# KiCad board Jumperless2.kicad_pcb (continued)
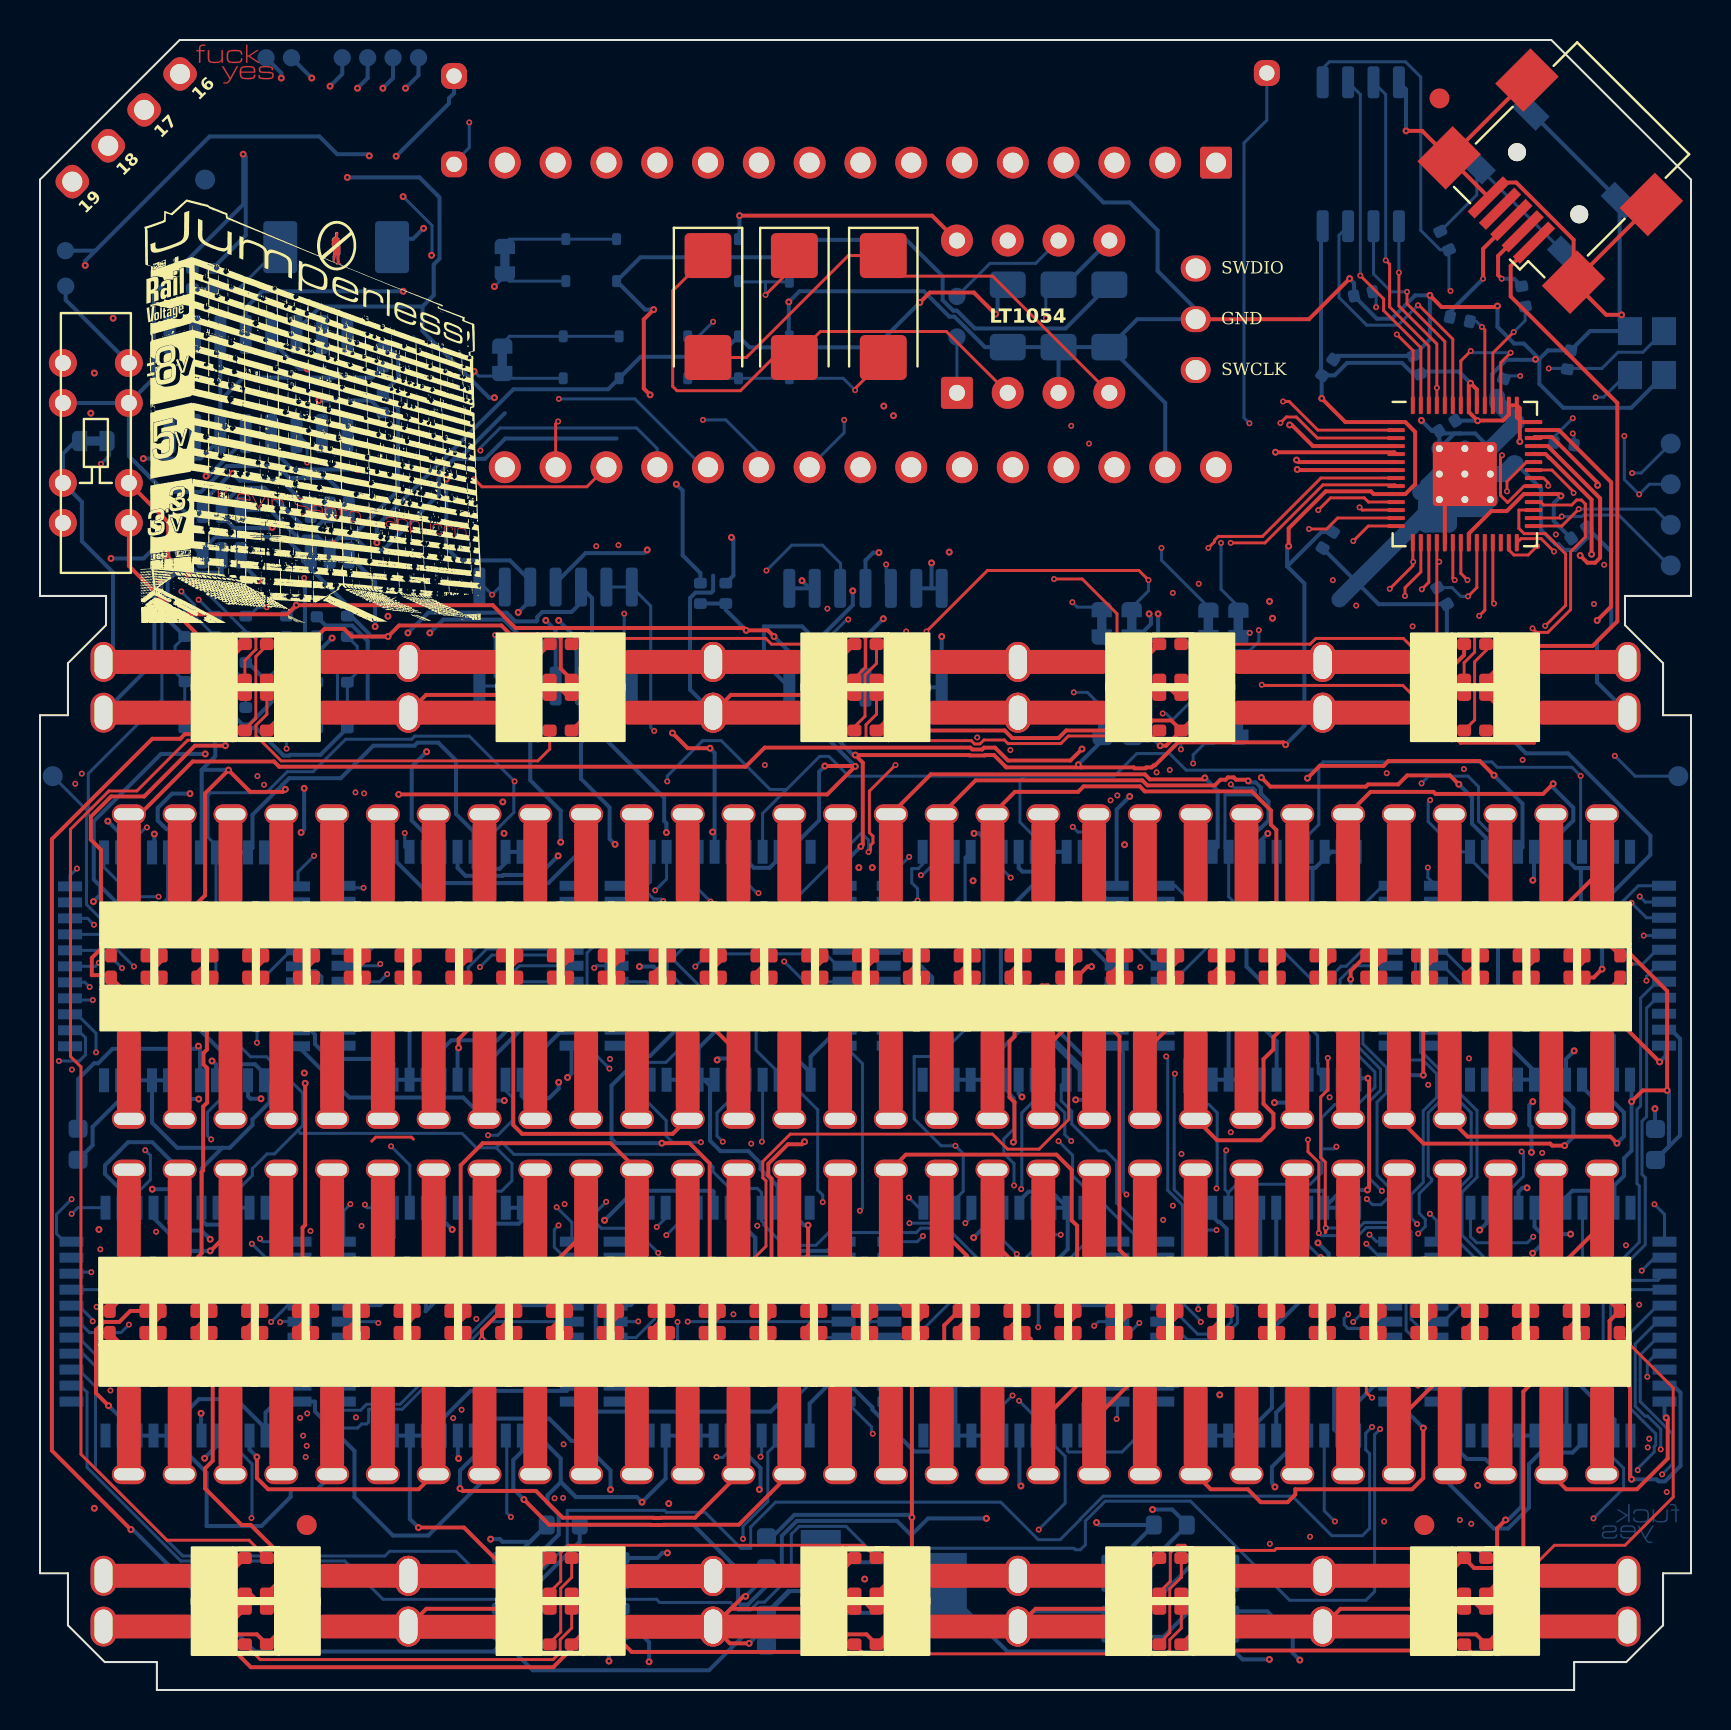
[diagram p0: board, top side]
## Footprints (pads in the part's own frame, mm; a bottom-side part is the same pattern mirrored in y, then rotated) (continued)
C_0402_1005Metric
  rrect 0.56x0.62 smd: 1(-0.48,0) 2(0.48,0)
C_0603_1608Metric
  rrect 0.9x0.95 smd: 1(-0.775,0) 2(0.775,0)
C_1206_3216Metric_Pad1.33x1.80mm_HandSolder
  rrect 1.325x1.8 smd: 1(-1.562,0) 2(1.562,0)
CP_EIA-6032-20_AVX-F_Pad2.25x2.35mm_HandSolder
  rrect 2.25x2.35 smd: 1(-2.55,0) 2(2.55,0)
Crystal_SMD_3225-4Pin_3.2x2.5mm
  rect 1.4x1.2 smd: 1(-1.1,-0.85) 2(1.1,-0.85) 3(1.1,0.85) 4(-1.1,0.85)
D_SOD-323
  rrect 0.6x0.45 smd: 1(-1.05,0) 2(1.05,0)
DIP-8_W7.62mm
  rrect 1.6x1.6 hole 0.8: 1(0,0)
  oval 1.6x1.6 hole 0.8: 2(0,-2.54) 3(0,-5.08) 4(0,-7.62) 5(7.62,-7.62) 6(7.62,-5.08) 7(7.62,-2.54) 8(7.62,0)
Fiducial_1mm_Mask2mm
  round 1 smd: (0,0)
GPIO_header
  rrect 1.5x1.5 hole 1: 1(-3.81,0) 2(-1.27,0) 3(1.27,0) 4(3.81,0)
LED_PLCC2_reversemount
  rrect 1.7x2.6 smd: 1(2.794,0) 2(-2.794,0)
LED_WS2812B-2020_PLCC4_2.0x2.0mm
  rrect 0.7x0.6 smd: 1(-0.55,-0.889) 2(0.55,-0.889) 3(0.55,0.889) 4(-0.55,0.889)
LQFP44_Tight
  rect 1.2x0.5 smd: 1(-6.106,3.599) 2(-6.106,2.799) 3(-6.106,1.999) 4(-6.106,1.199) 5(-6.106,0.399) 6(-6.106,-0.401) 7(-6.106,-1.201) 8(-6.106,-2.001) 9(-6.106,-2.801) 10(-6.106,-3.601) 11(-6.106,-4.401) 23(5.294,-4.401) 24(5.294,-3.601) 25(5.294,-2.801) 26(5.294,-2.001) 27(5.294,-1.201) 28(5.294,-0.401) 29(5.294,0.399) 30(5.294,1.199) 31(5.294,1.999) 32(5.294,2.799) 33(5.294,3.599)
  rect 0.5x1.2 smd: 12(-4.406,-6.101) 13(-3.606,-6.101) 14(-2.806,-6.101) 15(-2.006,-6.101) 16(-1.206,-6.101) 17(-0.406,-6.101) 18(0.394,-6.101) 19(1.194,-6.101) 20(1.994,-6.101) 21(2.794,-6.101) 22(3.594,-6.101) 34(3.594,5.299) 35(2.794,5.299) 36(1.994,5.299) 37(1.194,5.299) 38(0.394,5.299) 39(-0.406,5.299) 40(-1.206,5.299) 41(-2.006,5.299) 42(-2.806,5.299) 43(-3.606,5.299) 44(-4.406,5.299)
PINHEADER-1x1_vertical
  rrect 1.3x1.3 hole 0.762: 1(0,0)
PinHeader_1x03_P2.54mm_Vertical
  oval 1.5x1.3 hole 1: 1(0,0) 2(0,-2.54) 3(0,-5.08)
R_0402_1005Metric
  rrect 0.54x0.64 smd: 1(-0.51,0) 2(0.51,0)
R_0603_1608Metric
  rrect 0.8x0.95 smd: 1(-0.825,0) 2(0.825,0)
RP2040-QFN-56
  rrect 1.084x1.084 smd: (-0.637,0.637) (-0.637,-0.637) (0.637,0.637) (0.637,-0.637)
  rrect 0.875x0.2 smd: 1(-3.438,2.6) 2(-3.438,2.2) 3(-3.438,1.8) 4(-3.438,1.4) 5(-3.438,1) 6(-3.438,0.6) 7(-3.438,0.2) 8(-3.438,-0.2) 9(-3.438,-0.6) 10(-3.438,-1) 11(-3.438,-1.4) 12(-3.438,-1.8) 13(-3.438,-2.2) 14(-3.438,-2.6) 29(3.438,-2.6) 30(3.438,-2.2) 31(3.438,-1.8) 32(3.438,-1.4) 33(3.438,-1) 34(3.438,-0.6) 35(3.438,-0.2) 36(3.438,0.2) 37(3.438,0.6) 38(3.438,1) 39(3.438,1.4) 40(3.438,1.8) 41(3.438,2.2) 42(3.438,2.6)
  rrect 0.2x0.875 smd: 15(-2.6,-3.438) 16(-2.2,-3.438) 17(-1.8,-3.438) 18(-1.4,-3.438) 19(-1,-3.438) 20(-0.6,-3.438) 21(-0.2,-3.438) 22(0.2,-3.438) 23(0.6,-3.438) 24(1,-3.438) 25(1.4,-3.438) 26(1.8,-3.438) 27(2.2,-3.438) 28(2.6,-3.438) 43(2.6,3.438) 44(2.2,3.438) 45(1.8,3.438) 46(1.4,3.438) 47(1,3.438) 48(0.6,3.438) 49(0.2,3.438) 50(-0.2,3.438) 51(-0.6,3.438) 52(-1,3.438) 53(-1.4,3.438) 54(-1.8,3.438) 55(-2.2,3.438) 56(-2.6,3.438)
  round 0.6 hole 0.35: 57(-1.275,1.275) 57(-1.275,0) 57(-1.275,-1.275) 57(0,1.275) 57(0,0) 57(0,-1.275) 57(1.275,1.275) 57(1.275,0) 57(1.275,-1.275)
  rrect 3.2x3.2 smd: 57(0,0)
Slide_Switch_SSSS223600
  round 1.4 hole 0.8: 1(-1.65,0) 2(-1.65,-2) 3(-1.65,-6) 4(-1.65,-8) 5(1.65,0) 6(1.65,-2) 7(1.65,-6) 8(1.65,-8)
SOIC-8_3.9x4.9mm_P1.27mm
  rrect 1.95x0.6 smd: 1(-2.475,1.905) 2(-2.475,0.635) 3(-2.475,-0.635) 4(-2.475,-1.905) 5(2.475,-1.905) 6(2.475,-0.635) 7(2.475,0.635) 8(2.475,1.905)
SOIC-8_5.23x5.23mm_P1.27mm
  rrect 1.6x0.6 smd: 1(-3.6,1.905) 2(-3.6,0.635) 3(-3.6,-0.635) 4(-3.6,-1.905) 5(3.6,-1.905) 6(3.6,-0.635) 7(3.6,0.635) 8(3.6,1.905)
SOIC-14_3.9x8.7mm_P1.27mm
  rrect 1.95x0.6 smd: 1(-2.475,3.81) 2(-2.475,2.54) 3(-2.475,1.27) 4(-2.475,0) 5(-2.475,-1.27) 6(-2.475,-2.54) 7(-2.475,-3.81) 8(2.475,-3.81) 9(2.475,-2.54) 10(2.475,-1.27) 11(2.475,0) 12(2.475,1.27) 13(2.475,2.54) 14(2.475,3.81)
SOIC-16_3.9x9.9mm_P1.27mm
  rrect 1.95x0.6 smd: 1(-2.475,4.445) 2(-2.475,3.175) 3(-2.475,1.905) 4(-2.475,0.635) 5(-2.475,-0.635) 6(-2.475,-1.905) 7(-2.475,-3.175) 8(-2.475,-4.445) 9(2.475,-4.445) 10(2.475,-3.175) 11(2.475,-1.905) 12(2.475,-0.635) 13(2.475,0.635) 14(2.475,1.905) 15(2.475,3.175) 16(2.475,4.445)
SolderJumper_2_Bridged_Small
  custom 0.762x1.016 smd: 1(-0.813,0) 2(0.813,0)
SOT-23-6
  rrect 1.325x0.6 smd: 1(-1.137,0.95) 2(-1.137,0) 3(-1.137,-0.95) 4(1.137,-0.95) 5(1.137,0) 6(1.137,0.95)
SOT-223-3_TabPin2
  rect 2x1.5 smd: 1(-3.15,2.3) 2(-3.15,0) 3(-3.15,-2.3)
  rect 2x3.8 smd: 2(3.15,0)
SW_SPST_TL3342
  rect 1.7x1 smd: 1(-3.15,1.9) 1(3.15,1.9) 2(-3.15,-1.9) 2(3.15,-1.9)
TestPoint_D0.75mm
  round 0.864 smd: 1(0,0)
TestPoint_Pad_D1.0mm
  round 1 smd: 1(0,0)
USB_Mini-B_Wuerth_65100516121_Horizontal
  round 0.9 hole 0.9 unplated: (-2.2,0) (2.2,0)
  rect 0.5x2.5 smd: 1(-1.6,2.6) 2(-0.8,2.6) 3(0,2.6) 4(0.8,2.6) 5(1.6,2.6)
  rect 2x2.5 smd: 6(-4.4,2.6) 6(-4.4,-2.9) 6(4.4,2.6) 6(4.4,-2.9)

## Nets
+1V1: C9.1 C11.1 U9.23 U9.45 U9.50
+3V3: C8.1 C12.1 C18.1 C19.1 C20.1 C21.1 I1.1 JP1.1 R14.1 R26.1 R27.1 SW2.4 SW2.8 U2.2 U4.5 U6.2 U6.5 U8.8 U9.1 U9.10 U9.22 U9.33 U9.42 U9.43 U9.44 U9.48 U9.49
+5V: C7.1 D1.4 D2.4 D3.4 D4.4 D5.4 D6.4 D7.4 D8.4 D9.4 D10.4 D11.4 D12.4 D13.4 D14.4 D15.4 D16.4 D17.4 D18.4 D19.4 D20.4 D21.4 D22.4 D23.4 D24.4 D25.4 D26.4 D27.4 D28.4 D29.4 D30.4 D31.4 D32.4 D33.4 D34.4 D35.4 D36.4 D37.4 D38.4 D39.4 D40.4 D41.4 D42.4 D43.4 D44.4 D45.4 D46.4 D47.4 D48.4 D49.4 D50.4 D51.4 D52.4 D53.4 D54.4 D55.4 D56.4 D57.4 D58.4 D59.4 D60.4 D62.2 D71.4 D72.4 D73.4 D74.4 D75.4 D76.4 D77.4 D78.4 D79.4 D80.4 D81.4 D82.4 D83.4 D84.4 D85.4 D86.4 D87.4 D88.4 D89.4 D90.4 J5.1 J6.1 J14.1 JP2.1 L1.1 R13.2 R24.2 R25.2 SW2.2 SW2.6 U1.8 U2.3 U3.3 U5.3 U5.6
+8V: D64.1 JP4.2 SW2.1 TP14.1 U10.4 U11.4
+9V: A2.38 B1.38 C1.1 C16.1 C26.38 D61.1 D63.2 D70.38 E1.38 F5.38 G1.38 H1.38 I1.38 J6.38 K1.38 L1.38 U7.4
-8V: D69.2 JP8.1 SW2.5 TP13.1 U10.6 U11.11
-9V: A2.16 B1.16 C6.2 C25.2 C26.16 D66.1 D67.2 D70.16 E1.16 F5.16 G1.16 H1.16 I1.16 J6.16 K1.16 L1.16 U7.11
GND: A1.4 A1.29 A2.10 A2.12 A2.18 A2.19 A2.20 A2.21 A2.40 A2.42 A2.43 B1.10 B1.12 B1.18 B1.19 B1.20 B1.21 B1.40 B1.42 B1.43 C1.2 C4.1 C6.1 C7.2 C8.2 C9.2 C10.2 C11.2 C12.2 C13.2 C14.2 C15.2 C16.2 C17.2 C18.2 C19.2 C20.2 C21.2 C22.2 C23.2 C24.2 C25.1 C26.10 C26.12 C26.18 C26.19 C26.20 C26.21 C26.40 C26.42 C26.43 D1.2 D2.2 D3.2 D4.2 D5.2 D6.2 D7.2 D8.2 D9.2 D10.2 D11.2 D12.2 D13.2 D14.2 D15.2 D16.2 D17.2 D18.2 D19.2 D20.2 D21.2 D22.2 D23.2 D24.2 D25.2 D26.2 D27.2 D28.2 D29.2 D30.2 D31.2 D32.2 D33.2 D34.2 D35.2 D36.2 D37.2 D38.2 D39.2 D40.2 D41.2 D42.2 D43.2 D44.2 D45.2 D46.2 D47.2 D48.2 D49.2 D50.2 D51.2 D52.2 D53.2 D54.2 D55.2 D56.2 D57.2 D58.2 D59.2 D60.2 D68.1 D70.10 D70.12 D70.18 D70.19 D70.20 D70.21 D70.40 D70.42 D70.43 D71.2 D72.2 D73.2 D74.2 D75.2 D76.2 D77.2 D78.2 D79.2 D80.2 D81.2 D82.2 D83.2 D84.2 D85.2 D86.2 D87.2 D88.2 D89.2 D90.2 D91.1 E1.10 E1.12 E1.18 E1.19 E1.20 E1.21 E1.40 E1.42 E1.43 F5.10 F5.12 F5.18 F5.19 F5.20 F5.21 F5.40 F5.42 F5.43 G1.10 G1.12 G1.18 G1.19 G1.20 G1.21 G1.40 G1.42 G1.43 H1.10 H1.12 H1.18 H1.19 H1.20 H1.21 H1.40 H1.42 H1.43 I1.2 I1.10 I1.12 I1.18 I1.19 I1.20 I1.21 I1.40 I1.42 I1.43 J1.2 J4.0 J4.32 J5.5 J5.6 J6.2 J6.10 J6.12 J6.18 J6.19 J6.20 J6.21 J6.40 J6.42 J6.43 K1.10 K1.12 K1.18 K1.19 K1.20 K1.21 K1.40 K1.42 K1.43 L1.10 L1.12 L1.18 L1.19 L1.20 L1.21 L1.40 L1.42 L1.43 R18.1 R19.2 R21.2 R22.2 R23.2 SW1.1 U1.3 U2.1 U3.2 U3.6 U4.1 U4.2 U4.6 U5.2 U6.1 U6.6 U8.4 U9.19 U9.57 Y1.2 Y1.4
VIN: A1.30
1: J4.1 L1.5
2: A2.35 J4.2
3: A2.37 J4.3
4: A2.39 J4.4
5: A2.17 J4.5
6: A2.15 J4.6
7: A2.13 J4.7
8: A2.11 J4.8
9: B1.35 J4.9
10: B1.37 J4.10
11: B1.39 J4.11
12: B1.17 J4.12
13: B1.15 J4.13
14: B1.13 J4.14
15: B1.11 J4.15
16: C26.35 J4.16
17: C26.37 J4.17
18: C26.39 J4.18
19: C26.17 J4.19
20: C26.15 J4.20
21: C26.13 J4.21
22: C26.11 J4.22
23: D70.35 J4.23
24: D70.37 J4.24
25: D70.39 J4.25
26: D70.17 J4.26
27: D70.15 J4.27
28: D70.13 J4.28
29: D70.11 J4.29
30: J4.30 L1.6
32: J4.33 L1.7
33: E1.35 J4.34
34: E1.37 J4.35
35: E1.39 J4.36
36: E1.17 J4.37
37: E1.15 J4.38
38: E1.13 J4.39
39: E1.11 J4.40
40: F5.35 J4.41
41: F5.37 J4.42
42: F5.39 J4.43
43: F5.17 J4.44
44: F5.15 J4.45
45: F5.13 J4.46
46: F5.11 J4.47
47: G1.35 J4.48
48: G1.37 J4.49
49: G1.39 J4.50
50: G1.17 J4.51
51: G1.15 J4.52
52: G1.13 J4.53
53: G1.11 J4.54
54: H1.35 J4.55
55: H1.37 J4.56
56: H1.39 J4.57
57: H1.17 J4.58
58: H1.15 J4.59
59: H1.13 J4.60
60: H1.11 J4.61
61: J4.62 L1.8
/AB0: A2.29 B1.31
/AB1: A2.28 B1.30
/AC0: A2.27 C26.31
/AC1: A2.26 C26.30
/AD0: A2.3 D70.31
/AD1: A2.4 D70.30
/AE0: A2.5 E1.31
/AF0: A2.7 F5.31
/AF1: A2.8 F5.30
/AG0: A2.25 G1.31
/AG1: A2.24 G1.30
/AH0: A2.1 H1.31
/AH1: A2.2 H1.30
/BC0: B1.27 C26.29
/BC1: B1.26 C26.28
/BD0: B1.3 D70.29
/BD1: B1.4 D70.28
/BE0: B1.5 E1.29
/BE1: B1.6 E1.28
/BF0: B1.7 F5.29
/BG0: B1.25 G1.29
/BG1: B1.24 G1.28
/BH0: B1.1 H1.29
/BH1: B1.2 H1.28
/CD0: C26.3 D70.27
/CD1: C26.4 D70.26
/CE0: C26.5 E1.27
/CE1: C26.6 E1.26
/CF0: C26.7 F5.27
/CF1: C26.8 F5.26
/CG0: C26.25 G1.27
/CH0: C26.1 H1.27
/CH1: C26.2 H1.26
/DE0: D70.5 E1.3
/DE1: D70.6 E1.4
/DF0: D70.7 F5.3
/DF1: D70.8 F5.4
/DG0: D70.25 G1.3
/DG1: D70.24 G1.4
/DH0: D70.1 H1.3
/EF0: E1.7 F5.5
/EF1: E1.8 F5.6
/EG0: E1.25 G1.5
/EG1: E1.24 G1.6
/EH0: E1.1 H1.5
/EH1: E1.2 H1.6
/FG0: F5.25 G1.7
/FG1: F5.24 G1.8
/FH0: F5.1 H1.7
/FH1: F5.2 H1.8
/GH0: G1.1 H1.25
/GH1: G1.2 H1.24
/QSPI_SCLK: U8.6 U9.52
/QSPI_SD0: U8.5 U9.53
/QSPI_SD1: U8.2 U9.55
/QSPI_SD2: U8.3 U9.54
/QSPI_SD3: U8.7 U9.51
/QSPI_SS: R5.1 U8.1 U9.56
/RUN: U9.26
/SWCLK: J1.1 U9.24
/SWD: J1.3 U9.25
/USB_D+: J5.3 R2.1
/USB_D-: J5.2 R3.1
/XIN: C13.1 U9.20 Y1.1
/XOUT: R12.1 U9.21
/~{USB_BOOT}: R5.2 SW1.2
A0: A1.19 I1.31 K1.31
A1: A1.20 J6.30 K1.30
A2: A1.21 I1.29 K1.29
A3: A1.22 J6.28 K1.28
A4: A1.23 I1.27 L1.25
A5: A1.24 J6.26 L1.24
A6: A1.25 I1.3
A7: A1.26 J6.4
ADC_BUFFERED_5V_0: U9.38 U11.1 U11.2
ADC_BUFFERED_5V_1: U9.39 U11.6 U11.7
ADC_BUFFERED_5V_2: U9.40 U11.8 U11.9
ADC_BUFFERED_+-8V_3: U9.41 U11.13 U11.14
ADC_UNBUFFERED_5V_0: I1.24 L1.29 TP9.1 U7.3
ADC_UNBUFFERED_5V_1: J6.24 L1.28 TP10.1 U7.10
ADC_UNBUFFERED_5V_2: K1.2 L1.27 TP11.1 U7.12
ADC_UNBUFFERED_+-8V_3: L1.26 TP12.1 U7.5
AI: A2.31 I1.33
AJ: A2.30 J6.33
AK: A2.6 K1.33
AL: A2.33 L1.33
AREF: A1.18 J6.8
BI: B1.29 I1.35
BJ: B1.28 J6.35
BK: B1.8 K1.35
BL: B1.33 L1.35
BOTTOM_RAIL: J4.63 SW2.7
CI: C26.27 I1.37
CJ: C26.26 J6.37
CK: C26.24 K1.37
CL: C26.33 L1.37
CLK: A2.34 B1.34 C26.34 D70.34 E1.34 F5.34 G1.34 H1.34 I1.34 J6.34 K1.34 L1.34 U9.18
CS_A: A2.14 U9.8
CS_B: B1.14 U9.9
CS_C: C26.14 U9.11
CS_D: D70.14 U9.12
CS_E: E1.14 U9.13
CS_F: F5.14 U9.14
CS_G: G1.14 U9.15
CS_H: H1.14 U9.16
CS_I: I1.14 U9.31
CS_J: J6.14 U9.32
CS_K: K1.14 U9.34
CS_L: L1.14 U9.35
CURR_SENSE+: L1.30 R1.1 U4.8
CURR_SENSE-: L1.31 R1.2 U4.7
CURR_SENSE_DAC+: C15.1 R4.1 TP7.1 U6.8 U10.3 U10.14
CURR_SENSE_DAC-: I1.25 L1.4 R4.2 U6.7
D0: A1.2 J6.31 JP3.2
D1: A1.1 I1.30 JP7.2
D2: A1.5 J6.29 K1.27
D3: A1.6 I1.28 K1.26
D4: A1.7 J6.27 JP9.2 K1.3
D5: A1.8 I1.26 JP10.2 K1.4
D6: A1.9 J6.3 K1.5
D7: A1.10 I1.4 K1.6
D8: A1.11 J6.5 K1.7
D9: A1.12 I1.6 K1.8
D10: A1.13 J6.6 K1.25
D11: A1.14 I1.5 K1.24
D12: A1.15 J6.7 K1.1
D13: A1.16 I1.7
DAC_0_OUT: U3.1 U10.13
DAC_1_OUT: U5.1 U10.12
DAC_+-8V: C10.1 J6.25 L1.3 R16.2 TP8.1 U10.5
DATA: A2.36 B1.36 C26.36 D70.36 E1.36 F5.36 G1.36 H1.36 I1.36 J6.36 K1.36 L1.36 U9.17
DI: D70.3 I1.39
DJ: D70.4 J6.39
DK: D70.2 K1.39
DL: D70.33 L1.39
EI: E1.5 I1.17
EJ: E1.6 J6.17
EK: E1.30 K1.17
EL: E1.33 L1.17
FI: F5.7 I1.15
FJ: F5.8 J6.15
FK: F5.28 K1.15
FL: F5.33 L1.15
GI: G1.25 I1.13
GJ: G1.24 J6.13
GK: G1.26 K1.13
GL: G1.33 L1.13
GPIO_16: J7.1 TP1.1 U9.27
GPIO_17: J7.2 TP2.1 U9.28
GPIO_18: J7.3 TP3.1 U9.29
GPIO_19: J7.4 TP4.1 U9.30
HI: H1.1 I1.11
HJ: H1.2 J6.11
HK: H1.4 K1.11
HL: H1.33 L1.11
I2C_SCL: R26.2 U3.5 U4.4 U5.5 U6.4 U9.7
I2C_SCL_NANO: JP10.1 U9.4
I2C_SDA: R27.2 U3.4 U4.3 U5.4 U6.3 U9.6
I2C_SDA_NANO: JP9.1 U9.5
LED_DATA_OUT: D1.3 TP17.1 U9.37
NANO_3V3: A1.17 JP1.2
NANO_5V: A1.27 JP2.2
NANO_~{RESET}: I1.8 JP13.1 JP14.1
NANO_~{RESET}_0: A1.28 JP13.2
NANO_~{RESET}_1: A1.3 JP14.2
RESET: A2.41 B1.41 C26.41 D70.41 E1.41 F5.41 G1.41 H1.41 I1.41 J6.41 K1.41 L1.41 U9.36
TOP_RAIL: J4.31 JP5.1 SW2.3
UART_Rx: JP3.1 U9.3
UART_Tx: JP7.1 U9.2
Net-(C14-Pad1): C14.1 R12.2 Y1.3
Net-(D1-DOUT): D1.1 D2.3
Net-(D2-DOUT): D2.1 D3.3
Net-(D3-DOUT): D3.1 D4.3
Net-(D4-DOUT): D4.1 D5.3
Net-(D5-DOUT): D5.1 D6.3
Net-(D6-DOUT): D6.1 D7.3
Net-(D7-DOUT): D7.1 D8.3
Net-(D8-DOUT): D8.1 D9.3
Net-(D10-DIN): D9.1 D10.3
Net-(D10-DOUT): D10.1 D11.3
Net-(D11-DOUT): D11.1 D12.3
Net-(D12-DOUT): D12.1 D13.3
Net-(D13-DOUT): D13.1 D14.3
Net-(D14-DOUT): D14.1 D15.3
Net-(D15-DOUT): D15.1 D16.3
Net-(D16-DOUT): D16.1 D17.3
Net-(D17-DOUT): D17.1 D18.3
Net-(D18-DOUT): D18.1 D19.3
Net-(D19-DOUT): D19.1 D20.3
Net-(D20-DOUT): D20.1 D21.3
Net-(D21-DOUT): D21.1 D22.3
Net-(D22-DOUT): D22.1 D23.3
Net-(D23-DOUT): D23.1 D24.3
Net-(D24-DOUT): D24.1 D25.3
Net-(D25-DOUT): D25.1 D26.3
Net-(D26-DOUT): D26.1 D27.3
Net-(D27-DOUT): D27.1 D28.3
Net-(D28-DOUT): D28.1 D29.3
Net-(D29-DOUT): D29.1 D30.3
Net-(D30-DOUT): D30.1 D31.3
Net-(D31-DOUT): D31.1 D32.3
Net-(D32-DOUT): D32.1 D33.3
Net-(D33-DOUT): D33.1 D34.3
Net-(D34-DOUT): D34.1 D35.3
Net-(D35-DOUT): D35.1 D36.3
Net-(D36-DOUT): D36.1 D37.3
Net-(D37-DOUT): D37.1 D38.3
Net-(D38-DOUT): D38.1 D39.3
Net-(D39-DOUT): D39.1 D40.3
Net-(D40-DOUT): D40.1 D41.3
Net-(D41-DOUT): D41.1 D42.3
Net-(D42-DOUT): D42.1 D43.3
Net-(D43-DOUT): D43.1 D44.3
Net-(D44-DOUT): D44.1 D45.3
Net-(D45-DOUT): D45.1 D46.3
Net-(D46-DOUT): D46.1 D47.3
Net-(D47-DOUT): D47.1 D48.3
Net-(D48-DOUT): D48.1 D49.3
Net-(D49-DOUT): D49.1 D50.3
Net-(D50-DOUT): D50.1 D51.3
Net-(D51-DOUT): D51.1 D52.3
Net-(D52-DOUT): D52.1 D53.3
Net-(D53-DOUT): D53.1 D54.3
Net-(D54-DOUT): D54.1 D55.3
Net-(D55-DOUT): D55.1 D56.3
Net-(D56-DOUT): D56.1 D57.3
Net-(D57-DOUT): D57.1 D58.3
Net-(D58-DOUT): D58.1 D59.3
Net-(D59-DOUT): D59.1 D60.3
Net-(D60-DOUT): D60.1 D71.3
Net-(D61-A): C2.1 D61.2 D62.1
Net-(D63-K): D63.1 D64.2 JP4.1
Net-(D65-A): C5.2 D65.2 D67.1 D68.2
Net-(D65-K): C4.2 D65.1 U1.5
Net-(D66-A): D66.2 D69.1 JP8.2
Net-(D71-DOUT): D71.1 D72.3
Net-(D72-DOUT): D72.1 D73.3
Net-(D73-DOUT): D73.1 D74.3
Net-(D74-DOUT): D74.1 D75.3
Net-(D75-DOUT): D75.1 D76.3
Net-(D76-DOUT): D76.1 D77.3
Net-(D77-DOUT): D77.1 D78.3
Net-(D78-DOUT): D78.1 D79.3
Net-(D79-DOUT): D79.1 D80.3
Net-(D80-DOUT): D80.1 D81.3
Net-(D81-DOUT): D81.1 D82.3
Net-(D82-DOUT): D82.1 D83.3
Net-(D83-DOUT): D83.1 D84.3
Net-(D84-DOUT): D84.1 D85.3
Net-(D85-DOUT): D85.1 D86.3
Net-(D86-DOUT): D86.1 D87.3
Net-(D87-DOUT): D87.1 D88.3
Net-(D88-DOUT): D88.1 D89.3
Net-(D89-DOUT): D89.1 D90.3
Net-(D90-DOUT): D90.1 TP20.1
Net-(D91-A): D91.2 R24.1 R25.1
Net-(JP5-B): JP5.2 L1.2
Net-(R13-Pad1): R13.1 R15.1 R18.2
Net-(R16-Pad1): R16.1 R20.2
Net-(TP15-Pad1): TP15.1 TP21.1
Net-(U1-CAP+): C2.2 C3.1 U1.2
Net-(U1-CAP-): C3.2 C5.1 U1.4
Net-(U1-FB/SHDN): TP5.1 U1.1
Net-(U1-VREF): TP6.1 U1.6
Net-(U7A--): R6.1 U7.1 U7.2
Net-(U7B--): R17.1 U7.6 U7.7
Net-(U7C--): R8.1 U7.8 U7.9
Net-(U7D--): R10.1 U7.13 U7.14
Net-(U9-USB_DM): R3.2 U9.46
Net-(U9-USB_DP): R2.2 U9.47
Net-(U10B--): R15.2 R20.1 U10.11
Net-(U11A-+): C17.1 R6.2 R21.1 U11.3
Net-(U11B-+): C22.1 R8.2 R22.1 U11.5
Net-(U11C-+): C23.1 R10.2 R23.1 U11.10
Net-(U11D-+): C24.1 R14.2 R17.2 R19.1 U11.12

Pads without a net: A2 9 22 23 32 44; B1 9 22 23 32 44; C26 9 22 23 32 44; D70 9 22 23 32 44; E1 9 22 23 32 44; F5 9 22 23 32 44; G1 9 22 23 32 44; H1 9 22 23 32 44; I1 9 22 23 32 44; J5 4; J6 9 22 23 32 44; K1 9 22 23 32 44; L1 9 22 23 32 44; U1 7; U10 1 2 7 8 9 10 15 16

## Via types
v1: diameter 0.3, hole 0.15, Top to Bottom, 453 vias
v2: diameter 0.35, hole 0.15, Top to Bottom, 288 vias

## Routing (per net, layer and track width the routed paths; a pad name or vN(x,y) marks a point on that pad's centre or on a via; arc(x,y) is an arc through that point)
+1V1: length 32.2
  Top w0.15: U9.23 71.84,55.15 v1(71.4,54.71) ; v1(71.54,66.99) 71.04,66.5 U9.50 ; v1(73.53,66.9) 73.04,66.41 U9.45
  In1.Cu w0.15: v1(71.54,66.99) 67.83,66.99 66.81,68.02 v1(66.81,69.18)
  In2.Cu w0.15: v1(71.54,66.99) 71.04,66.5 71.04,63.05 71.78,62.31 71.78,55.09 v1(71.4,54.71)
  Bottom w0.15: v1(71.4,54.71) 71.04,54.71 70.6,55.15 C11.1 ; v1(73.53,66.9) 71.62,66.9 v1(71.54,66.99) ; 66.81,69.78 v1(66.81,69.18)
+3V3: length 270.3
  Top w0.2: U9.43 U9.44 73.44,63.81 73.14,63.51 71.89,63.51 v2(71.88,63.5) 71.44,63.94 ; U9.43 73.84,63.67 74.08,63.43 U9.42 ; U9.43 73.99,64.12 v2(73.99,62.46) ; SW2.8 4.44,56.24 6.5,54.18 ; 52.07,46.16 51.94,46.29 v2(51.92,46.29) ; 52.07,46.16 54.68,46.16 54.73,46.11 55.27,46.11 55.32,46.16 55.58,46.16 55.68,46.26 55.75,46.26 56.9,47.41 62.16,47.41 v2(62.28,47.29) ; 52.07,46.16 48.32,46.16 48.27,46.2 47.7,46.77 47.25,46.77 47.24,46.76 46.49,46.76 46.47,46.77 v2(40.76,46.77) 41.14,46.4 41.14,42.3 v2(41.04,42.2) ; v2(62.43,57.23) 62.43,58.12 64.29,59.97 66.55,59.97 66.68,59.83 U9.10 68.27,59.83 68.76,60.32 68.76,62.94 68.27,63.43 U9.1 65.27,63.43 v2(64.08,64.62) ; U9.22 71.44,57.86 72.57,58.98 73.34,58.98 74.19,59.83 U9.33 75.96,59.83 v2(76.05,59.74) ; U9.48 71.84,65.06 v2(71.53,65.38) 71.44,65.3 U9.49 ; v2(36.7,52.7) 36.39,53.02 v2(35.31,53.02) 35.19,53.13 23.78,53.13 22.64,54.27 v2(12.81,54.27) 12.36,53.82 6.86,53.82 6.5,54.18 ; v2(4.55,8.03) 0.59,11.98 0.59,42.57 5.62,47.59 7.01,47.59 7.24,47.82 7.66,47.82 8.15,48.3 8.15,52.53 6.5,54.18
  In1.Cu w0.2: SW2.8 SW2.4
  In2.Cu w0.2: v2(76.05,59.74) 76.05,60.4 v2(73.99,62.46)
  Bottom w0.2: v2(51.92,46.29) 51.92,46.31 JP1.1 ; v2(71.53,65.38) 70.94,65.96 69.12,65.96 ; v2(76.05,59.74) 75.69,59.38 75.69,58.49 C21.1 ; 62.36,56.22 62.36,57.15 v2(62.43,57.23) ; 62.36,56.22 63.22,55.35 63.22,48.23 v2(62.28,47.29) ; 62.36,56.22 64.08,57.94 C18.1 ; v2(12.81,54.27) 12.81,54.22 R14.1 ; I1.1 40.23,41.39 v2(41.04,42.2) ; C19.1 68.65,65.84 68.1,66.4 65.35,66.4 64.73,65.77 C12.1 ; v2(64.08,64.62) 64.08,65.74 ; v2(40.76,46.77) 40.66,46.77 38.23,49.2 38.23,51.18 v2(36.7,52.7) ; 33.02,54.36 R26.1 34.29,54.03 v2(35.31,53.02) ; U2.2 37.5,4.95 C8.1 ; U2.2 40.13,3.86 41.51,3.86 41.56,3.91 44.3,3.91 U2.2 48.37,1.92 53.3,1.92 U6.5 56.18,2.67 58.72,5.21 ; U2.2 37.42,4.95 33.45,0.99 24.64,0.99 23.56,2.07 U4.5 22.69,1.92 10.75,1.92 4.65,8.03 v2(4.55,8.03) ; C20.1 71.88,63.5 v2(71.88,63.5) ; 64.05,73.15 64.05,65.84
+5V: length 582.1
  Top w0.2: 43.56,16.64 44.07,16.64 ; 43.56,16.64 41.78,16.64 ; 43.56,16.64 43.59,16.6 v2(43.59,8.64) 43.59,6.6 v2(43.39,6.39) D76.4 ; 44.07,16.64 44.15,16.72 44.15,17.86 ; 44.07,16.64 44.96,15.75 46.23,15.75 46.74,16.26 46.74,16.64 ; 74.68,17.27 74.68,17.85 ; 74.68,17.27 75.56,17.27 ; 74.68,17.27 72.26,17.27 ; D30.4 77.68,35.65 v2(78.11,36.07) ; 5.08,35.09 8.76,35.09 ; 5.08,35.09 4.1,35.09 D1.4 3.43,35.76 2.59,35.76 2.59,36.63 3.05,37.08 3.05,42.04 2.54,42.54 2.54,43.69 3.56,44.7 5.21,44.7 7.75,47.24 v2(9.27,47.24) ; 5.08,35.09 5.63,35.09 6.09,35.55 ; 8.76,35.09 8.63,35.23 D3.4 ; 8.76,35.09 11.18,35.09 ; 26.42,35.09 29.08,35.09 ; 26.42,35.09 23.88,35.09 ; 26.42,35.09 26.41,35.1 D10.4 ; 29.08,35.09 28.96,35.22 28.96,35.64 ; 29.08,35.09 31.62,35.09 ; D17.4 44.2,35.1 44.2,35.09 ; 34.04,35.09 36.58,35.09 ; 34.04,35.09 31.62,35.09 ; 34.04,35.09 34.04,35.1 D13.4 ; 36.58,35.09 36.58,35.1 ; 36.58,35.09 39.12,35.09 ; 59.44,35.09 59.45,35.11 D23.4 ; 59.44,35.09 56.9,35.09 ; 59.44,35.09 61.85,35.09 ; 49.23,17.86 49.53,17.57 49.53,17.27 ; 57.15,4.83 57.61,4.36 57.61,2.84 D74.4 57.38,1.97 70.05,1.97 70.86,2.79 71.81,2.79 D71.4 72.9,2.88 72.9,4.32 72.39,4.83 ; 12.15,48.81 12.45,48.51 v2(12.95,48.51) ; 12.15,48.81 D82.4 11.9,48.56 11.9,50.08 11.43,50.55 ; 12.15,48.81 13.34,50 13.34,51.57 13.46,51.69 13.46,52.32 14.22,53.09 15.21,53.09 15.59,52.7 v2(17.4,52.7) 17.95,53.26 23.07,53.26 23.5,52.83 25.82,52.83 26.04,52.62 26.04,51.1 D84.4 ; D12.4 31.5,35.21 31.62,35.09 ; 8.64,17.32 8.58,17.37 D33.4 ; 8.64,17.32 9.02,17.32 ; 8.64,17.32 5.97,17.32 ; D42.4 31.45,17.36 31.5,17.31 ; 56.9,35.09 56.91,35.11 D22.4 ; 56.9,35.09 54.36,35.09 ; 33.78,17.31 33.99,17.53 D43.4 ; 33.78,17.31 36.45,17.31 ; 33.78,17.31 31.5,17.31 ; D87.4 56.3,47.24 v2(56.01,47.24) ; D87.4 57.61,48.56 57.61,50.08 57.15,50.55 ; D87.4 56.56,48.51 55.62,48.51 55.12,48.01 51.31,48.01 50.93,47.62 48.61,47.62 48.23,48.01 D86.4 42.42,48.6 42.42,50.04 41.91,50.55 ; U1.8 44.6,73.76 v2(34.98,73.76) ; 64.39,35.09 64.53,35.24 D25.4 ; 64.39,35.09 61.85,35.09 ; 64.39,35.09 67.06,35.09 ; 67.18,17.27 67.18,17.72 ; 67.18,17.27 64.52,17.27 ; 67.18,17.27 69.47,17.27 ; 61.85,35.09 61.99,35.24 D24.4 ; 59.31,17.27 62.1,17.27 ; 59.31,17.27 59.31,17.76 ; 59.31,17.27 57.02,17.27 ; 62.1,17.27 62.1,17.72 ; 62.1,17.27 64.52,17.27 ; 75.56,17.27 76.84,17.27 77.2,17.64 ; 75.56,17.27 75.56,15.98 75.08,15.5 74.73,15.5 74.17,14.93 74.17,6.67 72.33,4.83 ; 72.14,35.09 74.68,35.09 ; 72.14,35.09 72.15,35.11 D28.4 ; 72.14,35.09 69.47,35.09 ; 74.68,35.09 74.69,35.11 D29.4 ; 74.68,35.09 76.76,35.09 77.23,35.56 ; 13.72,35.09 16.26,35.09 ; 13.72,35.09 11.18,35.09 ; 13.72,35.09 13.71,35.1 D5.4 ; 16.26,35.09 18.8,35.09 ; 16.26,35.09 16.25,35.1 D6.4 ; 49.4,35.09 49.28,35.21 D19.4 ; 49.4,35.09 46.74,35.09 ; 49.4,35.09 49.44,35.13 49.96,35.13 50.09,35.26 50.4,35.26 50.56,35.09 51.82,35.09 ; 41.78,16.64 39.12,16.64 ; 41.78,16.64 41.78,17.7 ; 18.8,35.09 21.34,35.09 ; 18.8,35.09 18.79,35.1 D7.4 ; 9.02,17.32 11.18,17.32 ; 9.02,17.32 8.64,16.94 8.64,11.47 8.26,11.09 8.26,10.08 10.08,8.25 10.54,8.25 12.23,6.56 12.23,5.72 D80.4 ; 18.8,17.32 19.78,17.32 20.3,16.79 20.99,16.79 21.23,17.04 ; 18.8,17.32 16.26,17.32 ; 18.8,17.32 18.74,17.37 D37.4 ; D27.4 69.61,35.24 69.47,35.09 ; 46.74,16.64 48.89,16.64 49.53,17.27 ; 46.74,16.64 46.69,16.68 D48.4 ; D36.4 16.2,17.37 16.26,17.32 ; 54.36,35.09 53.29,35.09 53.26,35.13 52.25,35.13 52.21,35.09 51.82,35.09 ; 54.36,35.09 54.36,35.1 D21.4 ; 36.58,35.1 36.45,34.97 v2(36.45,33.66) ; 36.58,35.1 D14.4 ; 23.88,35.09 23.87,35.1 D9.4 ; 23.88,35.09 21.34,35.09 ; 26.67,50.55 27.13,50.08 27.13,48.56 D83.4 ; 41.66,35.09 41.66,35.1 D16.4 ; 41.66,35.09 44.2,35.09 ; 41.66,35.09 39.12,35.09 ; v2(38.23,27.43) 38.1,27.3 37.4,27.3 36.42,26.32 36.42,25.75 36.58,25.58 v2(36.58,21.21) ; 28.96,17.74 28.96,17.31 ; 28.96,17.31 31.5,17.31 ; 28.96,17.31 26.42,17.31 ; 11.18,35.09 11.17,35.1 D4.4 ; 51.82,35.09 51.82,35.1 D20.4 52.37,36.19 v2(52.58,36.19) ; 16.26,17.32 13.72,17.32 ; 11.18,17.32 13.72,17.32 ; 11.18,17.32 11.12,17.37 D34.4 ; 13.72,17.32 13.66,17.37 D35.4 ; 72.26,17.27 72.26,17.72 ; 72.26,17.27 69.47,17.27 ; 26.67,4.83 27.13,4.36 ; 27.13,4.36 29.59,1.91 39.5,1.91 40.38,2.79 41.33,2.79 D75.4 42.42,2.88 42.42,4.32 41.91,4.83 ; 27.13,4.36 27.13,2.84 D78.4 26.59,2.07 25.66,1.14 10.54,1.14 9.7,1.99 9.7,2.58 9.9,2.79 10.84,2.79 D79.4 11.94,2.88 11.94,4.32 11.43,4.83 ; D15.4 39.12,35.1 39.12,35.09 ; 44.2,35.09 46.74,35.09 ; D31.4 4.04,17.32 5.97,17.32 ; 39.12,16.64 37.59,16.64 36.92,17.31 36.45,17.31 ; 39.12,16.64 39.12,17.82 ; D39.4 23.82,17.46 23.96,17.31 26.42,17.31 ; 49.53,17.27 51.82,17.27 ; 26.42,17.31 26.36,17.37 D40.4 ; 54.36,17.27 51.82,17.27 ; 54.36,17.27 54.36,17.84 ; 54.36,17.27 57.02,17.27 ; 51.82,17.27 51.82,17.83 ; 69.47,17.27 69.47,17.76 ; 21.23,17.04 22.37,17.04 22.65,17.32 23.35,17.32 23.82,17.78 ; 21.23,17.04 21.28,17.09 D38.4 ; D44.4 36.53,17.4 36.45,17.31 ; 67.06,35.09 67.07,35.11 D26.4 ; 67.06,35.09 69.47,35.09 ; D8.4 21.33,35.1 21.34,35.09 ; v2(73.22,47.94) 73.15,48.01 D90.4 ; 5.97,17.32 6.04,17.38 D32.4 ; 46.74,35.09 46.74,35.1 D18.4 ; J5.1 73.53,71.25 73.53,69.72 78.87,64.39 78.87,53.47 77.64,52.23 73.99,52.23 D89.4 72.56,50.29 v2(73.41,50.29) ; 57.02,17.27 57.02,17.72 ; 64.52,17.27 64.52,17.85 ; v2(36.58,16.64) 36.58,17.82
  In1.Cu w0.2: v2(9.27,47.24) 11.68,47.24 v2(12.95,48.51) ; v2(54.48,44.7) 54.2,44.42 54.2,42.83 54.36,42.67 54.36,42.42 v2(54.23,42.29) ; v2(10.16,76.83) 10.52,77.19 17.35,77.19 v2(17.81,76.73) 20.78,73.76 v2(34.98,73.76)
  In2.Cu w0.2: v2(54.23,42.29) 55.5,41.02 55.5,37.85 53.85,36.19 v2(52.58,36.19) ; v2(54.48,44.7) 54.48,45.72 v2(56.01,47.24) ; v2(36.58,21.21) v2(36.58,16.64) ; v2(38.23,27.43) 37.27,27.43 36.42,28.29 36.42,33.37 36.45,33.4 v2(36.45,33.66)
  Bottom w0.15: 20.45,80.26 20.45,80.26
  Bottom w0.2: SW2.6 SW2.2 ; SW2.6 4.44,61.73 5.07,61.1 ; SW2.6 5.69,65.64 5.69,69.85 7.29,71.45 ; J14.1 20.7,79.88 20.45,79.63 20.45,79.37 v2(17.81,76.73) ; 7.29,71.45 10.16,74.32 v2(10.16,76.83) 10.29,76.71 10.29,72.77 8.64,71.12 ; 7.29,71.45 7.29,71.45 R25.2 ; 39.83,22.43 39.37,21.97 37.34,21.97 v2(36.58,21.21) ; R13.2 15.37,54.27 13.15,56.49 13.15,56.64 ; 13.15,56.64 13.41,56.64 ; 13.15,56.64 13.15,56.77 12.23,57.68 8.77,57.68 8.13,57.05 ; 15.44,59.57 14.37,60.64 12.47,60.64 11.86,61.24 9.35,61.24 8.05,59.94 6.23,59.94 5.07,61.1 ; v2(73.41,50.29) 73.41,48.13 v2(73.22,47.94) 74.3,46.86 76.4,46.86 80.52,42.74 80.52,41.78 77.6,38.86 77.6,38.48 78.11,37.97 v2(78.11,36.07) ; U3.3 7.58,57.32 7.58,58.59 5.07,61.1 ; JP2.1 55.73,47.52 v2(56.01,47.24) ; 36.6,7.65 37.72,8.76 43.56,8.76 43.56,8.67 v2(43.59,8.64) ; U2.3 39.9,6.39 v2(43.39,6.39) ; v2(17.4,52.7) 16.59,52.7 15.57,53.72 ; v2(34.98,73.76) 34.98,72.64 ; L1.1 53.83,44.05 v2(54.48,44.7)
+8V: length 88.6
  In1.Cu w0.15: v2(19.58,71.78) 21.14,70.21 v2(22.72,70.21)
  In1.Cu w0.2: v2(16.46,76.75) 18.16,75.06 v2(18.16,74.71) 18.16,74.71 v2(18.16,69.98) 21.05,69.98 26.79,64.24 v2(42.19,64.24) ; SW2.1 2.26,67.51 v2(2.26,71.27)
  In2.Cu w0.2: v2(42.19,64.24) 42.19,60.43 42.26,60.36 42.26,57.22 v2(41.95,56.9)
  Bottom w0.15: JP4.2 23.48,70.48 D64.1 ; 23.23,70.72 v2(22.72,70.21) ; v2(18.16,74.71) 19.6,73.27 19.6,71.8 v2(19.58,71.78)
  Bottom w0.2: 2.77,72.01 TP14.1 ; 2.77,72.01 2.26,71.5 v2(2.26,71.27) ; 2.77,72.01 8.48,77.72 13.97,77.72 14.86,76.83 16.38,76.83 v2(16.46,76.75) ; v2(18.16,69.98) 11.12,69.98 10.29,69.14 U10.4 ; v2(41.95,56.9) 41.66,56.9 41.28,56.51 U11.4
+9V: length 314.8
  Top w0.2: v2(33.5,47.12) 32.39,47.12 v2(31.62,47.88) ; v2(30.68,69.06) 30.19,68.57 30.19,65.11 v2(30.51,64.8)
  In1.Cu w0.2: 74.22,21.82 78.3,21.82 80.38,23.9 80.9,23.9 81.23,24.23 81.23,28.6 v2(80.75,29.08) 80.75,31.13 76.9,34.97 76.42,34.97 v2(74.98,33.53) ; 74.22,21.82 74.6,21.82 v2(74.63,21.85) ; 74.22,21.82 71.3,21.82 71.07,21.59 68.72,21.59 68.68,21.63 64.56,21.63 64.47,21.72 64.47,22.07 64.22,22.32 63.78,22.32 ; v2(33.5,47.12) 19.51,47.12 v2(19.33,46.94) 16.01,46.94 15.81,46.75 12.18,46.75 12.15,46.78 8.33,46.78 8.28,46.83 v2(8.26,46.83) ; v2(61.39,42.85) 61.52,42.98 61.54,42.98 ; 61.54,42.98 65.48,42.98 66.91,41.55 69.58,41.55 70.61,40.51 v2(74.64,40.51) ; 61.54,42.98 60.22,41.66 48.87,41.66 47.55,42.98 ; v2(33.63,42.93) 40.53,42.93 40.58,42.98 47.55,42.98 ; 63.78,22.32 63.48,22.32 63.44,22.36 58.09,22.36 57.71,22.73 56.03,22.73 55.45,23.32 55.35,23.32 55.35,23.32 53.39,23.32 53.39,23.32 46.81,23.32 46.27,22.77 ; 63.78,22.32 63.83,22.37 v2(63.9,22.37) ; 28.22,23.24 28.61,23.63 40.37,23.63 40.83,23.17 42.86,23.17 43.06,22.97 43.84,22.97 44.09,23.22 45.82,23.22 46.27,22.77 ; 28.22,23.24 27.41,23.24 27.07,23.58 26.5,23.58 26.43,23.65 20.5,23.65 ; 28.22,23.24 28.23,23.25 v2(28.23,23.5) ; 47.55,42.98 47.09,42.98 46.86,42.75 46.81,42.75 v2(46.7,42.86) ; 46.27,22.77 46.55,22.77 v2(46.68,22.63) ; 20.5,23.65 20.61,23.54 v2(20.61,23.04) ; 20.5,23.65 15.94,23.65 15.91,23.61 9.36,23.61 8.04,22.29 5.27,22.29 4.52,23.04 v2(2.95,23.04)
  In2.Cu w0.2: v2(74.64,40.51) 74.64,33.87 v2(74.98,33.53) ; v2(2.67,39.45) 2.48,39.25 2.48,38.56 2.35,38.43 2.35,35.88 3.2,35.03 3.2,31.55 2.39,30.73 2.39,24.69 2.95,24.13 v2(2.95,23.04) ; 29.86,57.02 29.86,64.15 v2(30.51,64.8) ; 29.86,57.02 30.35,57.02 v2(30.36,57.04) ; 29.86,57.02 29.86,49.64 v2(31.62,47.88)
  Bottom w0.2: 33.73,43.03 33.63,42.93 v2(33.63,42.93) ; 33.73,43.03 I1.38 ; 33.73,43.03 33.73,46.89 v2(33.5,47.12) ; v2(63.9,22.37) 64.43,21.84 64.43,21.5 62.69,19.76 61.47,19.76 61.45,19.74 61.12,19.74 61.11,19.76 61,19.76 60.74,20.03 60.74,20.13 60.93,20.32 60.93,20.4 61.01,20.48 G1.38 ; F5.38 20.09,23.56 v2(20.61,23.04) ; v2(30.68,69.06) 30.25,69.06 D63.2 30.02,71.68 36.59,71.68 D61.1 43.32,72.55 45.13,70.74 45.13,69.54 45.66,69.01 45.85,69.01 46.74,68.12 51.28,68.12 C1.1 ; 20.08,42.28 19.58,42.78 19.3,42.78 18.59,43.5 18.59,46.2 v2(19.33,46.94) ; v2(8.26,46.83) 6.05,46.83 2.69,43.47 2.69,40.54 3.01,40.22 ; v2(80.75,29.08) 80.75,28.09 ; v2(61.39,42.85) 61.03,42.49 C26.38 ; v2(46.7,42.86) 46.96,42.86 47.33,42.48 L1.38 ; v2(30.36,57.04) 30.2,56.88 27.28,56.88 25.78,55.38 ; E1.38 6.48,23.33 6.82,22.99 8.07,22.99 v2(8.51,22.55) ; v2(74.63,21.85) 75.06,22.28 75.06,22.84 74.72,23.18 H1.38 ; J6.38 33.68,24.93 33.63,24.98 29.71,24.98 v2(28.23,23.5) ; v2(46.68,22.63) 47.37,23.32 K1.38 ; D70.38 74.7,40.57 v2(74.64,40.51) ; 3.01,40.22 3.01,39.78 v2(2.67,39.45) ; 3.01,40.22 4.19,39.04 5.84,39.04 6.4,39.6 A2.38
